# Altium PCB BEAGLEPLAYV020_220915.brd.PcbDoc (part 6 of 12) (continued)
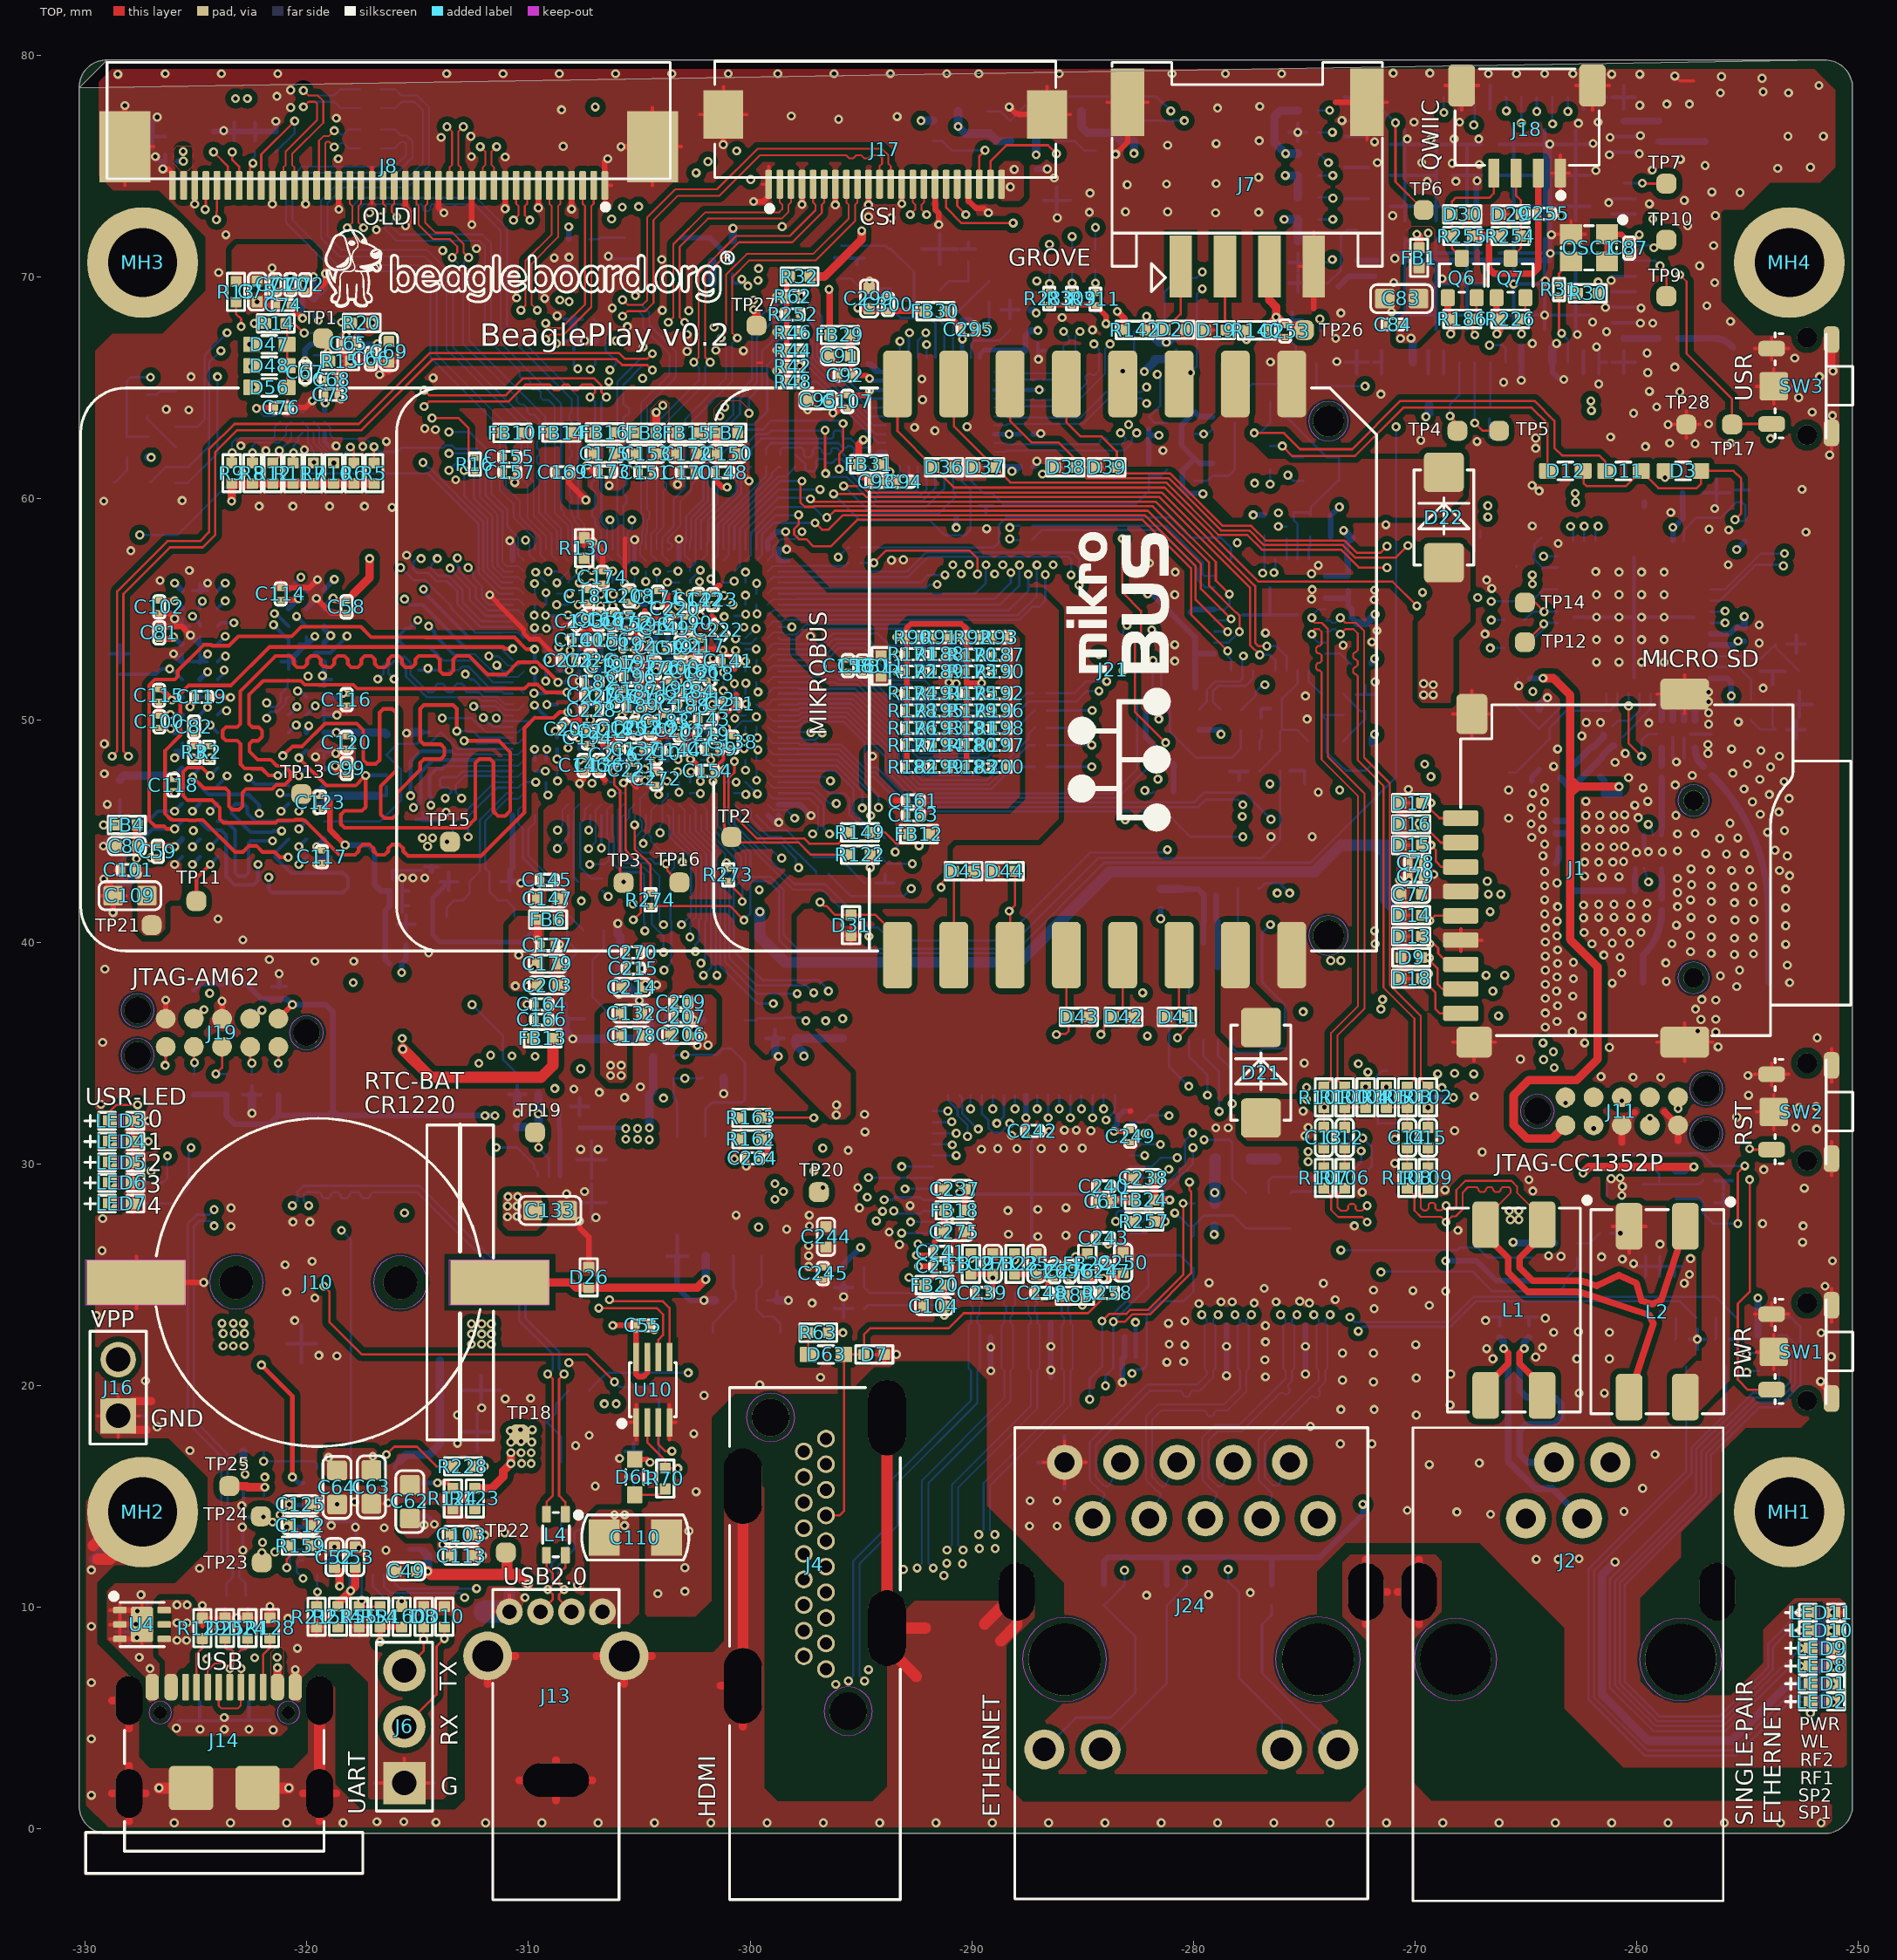
[diagram p0: TOP view]
## Nets (pads, with @x,y where several pads share a name; then routed paths per layer and width w, separated by ;. In a path a pad name is that pad's centre, name@x,y a point inside that pad or via, vN(x,y) a via of type N, cw(c..) or ccw(c..) an arc to the next point about the centre after c; other vN are vias at no path point) (continued)
-255.693,28.25 R59.2@-256.096,28.25 ; -255.693,29.248 R56.2@-256.096,29.248 ; -255.556,60.396 C20.2@-255.245,60.396 ; -255.467,21.637 Q4.2@-255.467,22.09 ; -255.467,22.543 Q4.2@-255.467,22.09 ; -255.245,60.689 C20.2@-255.245,60.396 ; -255.114,22.09 Q4.2@-255.467,22.09 ; -254.933,60.396 C20.2@-255.245,60.396 ; -254.432,52.229 X4.2@-253.879,52.229 ; -253.879,51.626 X4.2@-253.879,52.229 ; -253.326,52.229 X4.2@-253.879,52.229 ; -253.232,50.729 X4.4@-252.679,50.729 ; -253.22,49.59 C35.2@-252.817,49.59 ; -253.22,53.451 C36.2@-252.817,53.451 ; -252.817,49.187 C35.2@-252.817,49.59 ; -252.817,49.993 C35.2@-252.817,49.59 ; -252.817,53.048 C36.2@-252.817,53.451 ; -252.817,53.854 C36.2@-252.817,53.451 ; -252.679,50.126 X4.4@-252.679,50.729 ; -252.679,51.332 X4.4@-252.679,50.729 ; -252.414,49.59 C35.2@-252.817,49.59 ; -252.414,53.451 C36.2@-252.817,53.451 ; -252.126,50.729 X4.4@-252.679,50.729
  BOTTOM w0.203: v4(-326.83,75.438) -326.619,75.227 C267.2@-326.39,75.227 ; U3.A6@-319.193,62.975 -319.193,62.569 -318.99,62.366 -318.702,62.366 -318.688,62.38 v9(-318.678,62.38) ; C127.2@-313.596,42.724 -314.325,41.995 -314.325,40.335 -313.995,40.005 -310.286,40.005 -309.651,40.64 v2(-309.651,42.494) ; U1.M7@-307.711,51.22 -307.711,50.803 v2(-307.696,50.787) -307.643,50.787 U1.M8@-307.211,51.22 ; v2(-307.711,51.781) U1.P7@-307.711,52.219 ; v2(-307.711,54.237) U1.W7@-307.711,54.719 ; U1.T8@-307.211,53.22 U1.U8@-307.211,53.719 v2(-306.754,53.719) -306.754,53.731 -306.711,53.774 U1.V9@-306.711,54.219 ; U1.AE8@-307.211,57.719 U1.AD9@-306.711,57.22 ; v2(-307.144,56.205) -307.129,56.205 -307.115,56.219 U1.AB9@-306.711,56.219 ; U1.V11@-305.711,54.219 -305.691,54.239 -305.286,54.239 v2(-305.224,54.177) -305.188,54.214 -304.717,54.214 U1.V13@-304.711,54.219 ; U1.AA11@-305.711,55.719 -305.711,56.122 v2(-305.656,56.177) ; U1.M12@-305.211,51.22 -304.754,50.763 v2(-304.754,50.719) -304.711,50.763 U1.M13@-304.711,51.22 ; U1.AD12@-305.211,57.22 U1.AE12@-305.211,57.719 v2(-305.211,58.154) ; v2(-305.168,53.22) U1.T13@-304.711,53.22 U1.T14@-304.211,53.22 ; v2(-305.079,49.238) -305.079,49.351 U1.J13@-304.711,49.719 ; v2(-304.754,50.719) -304.711,50.676 U1.K13@-304.711,50.219 ; U1.F13@-304.711,48.219 U1.G13@-304.711,48.719 -305.098,49.106 -305.098,49.22 U1.H13@-304.711,49.22 ; U1.P13@-304.711,52.219 v2(-305.156,52.219) -305.156,52.275 U1.R13@-304.711,52.719 ; v2(-303.756,49.675) -303.756,50.174 U1.K15@-303.711,50.219 ; v2(-303.691,54.719) -303.691,54.699 U1.V16@-303.211,54.219 ; U1.T17@-302.711,53.22 -302.711,52.756 v2(-302.694,52.739) -302.675,52.719 U1.R18@-302.211,52.719 ; U1.V18@-302.211,54.219 -301.71,54.219 v2(-301.668,54.177) ; U1.G19@-301.711,48.719 -301.25,48.719 v2(-301.211,48.758) U1.H20@-301.211,49.22 ; U1.K19@-301.711,50.219 -301.38,50.219 -301.341,50.259 v2(-301.295,50.259) -301.295,50.305 -301.211,50.389 U1.L20@-301.211,50.719 ; v2(-301.229,53.177) -301.211,53.159 U1.R20@-301.211,52.719 ; U15.6@-259.677,44.835 -259.677,44.285 v6(-259.477,44.084)
  BOTTOM w0.254: C268.2@-326.974,76.345 -326.974,76.987 v4(-326.746,77.216) ; v4(-326.83,75.438) v4@-326.822,75.438 ; v9(-326.154,50.264) -326.143,50.253 U2.H9@-325.619,50.253 ; v9(-326.009,53.01) -325.652,52.653 U2.E9@-325.619,52.653 ; v9(-325.961,46.711) U2.M9@-325.619,47.052 ; v9(-325.961,48.311) U2.K9@-325.619,48.652 ; v9(-325.961,54.595) U2.C9@-325.619,54.253 ; v9(-325.269,50.62) -324.837,51.053 U2.G8@-324.819,51.053 ; v9(-325.247,53.848) -324.852,53.453 U2.D8@-324.819,53.453 ; U2.E8@-324.819,52.653 v9(-324.478,52.994) ; U2.A8@-324.819,55.853 v9(-324.478,56.195) ; R243.2@-324.218,76.57 -323.811,76.57 -323.774,76.606 v4(-323.746,76.606) -323.71,76.57 R242.2@-323.279,76.57 R240.2@-322.339,76.57 R241.2@-321.399,76.57 v4(-321.399,77.025) ; C260.2@-321.251,37.993 v9(-321.251,38.583) ; U2.E3@-320.819,52.653 U2.D2@-320.019,53.453 -319.975,53.453 v9(-319.634,53.794) ; U3.C4@-320.193,63.975 v2(-319.748,64.42) ; U3.P4@-320.193,69.475 U3.N5@-319.693,68.975 U3.P6@-319.193,69.475 -319.193,70.227 -319.151,70.185 v2(-319.151,70.155) ; U2.B2@-320.019,55.053 v9(-319.565,55.507) ; U2.A2@-320.019,55.853 v9(-319.521,56.351) ; U3.G5@-319.693,65.975 -319.822,65.975 v2(-320.074,66.227) -320.074,66.721 -319.82,66.975 U3.J5@-319.693,66.975 ; v9(-319.56,43.51) U2.T1@-319.219,43.852 ; v9(-319.297,52.02) -319.219,52.099 U2.E1@-319.219,52.653 ; U2.K1@-319.219,48.652 -318.832,48.652 v9(-318.694,48.514) ; U2.H1@-319.219,50.253 -318.654,50.253 v9(-318.643,50.241) ; U2.F1@-319.219,51.853 U2.F1@-319.219,51.942 ; U17.15@-319.021,11.463 -319.021,12.038 -318.753,12.307 v2(-318.753,12.726) ; U3.E7@-318.693,64.975 -318.693,64.736 v2(-318.465,64.508) ; U3.K8@-318.193,67.475 -318.193,66.775 -318.031,66.613 v2(-318.031,66.207) -317.461,66.207 U3.H10@-317.193,66.475 ; C229.2@-314.757,45.535 C230.2@-314.071,45.535 -314.046,45.535 v9(-313.715,45.865) ; -314.401,43.193 -314.376,43.219 C225.2@-314.376,43.401 ; v2(-310.845,58.108) -310.711,57.973 U1.AE1@-310.711,57.719 U1.AD1@-310.711,57.22 ; U1.A1@-310.711,45.719 -310.711,43.364 -310.839,43.236 C126.2@-310.839,42.732 -310.43,42.732 -310.363,42.664 v2(-310.345,42.664) -309.822,42.664 v2(-309.651,42.494) ; U1.J7@-307.711,49.719 U1.K7@-307.711,50.219 -307.711,50.772 v2(-307.696,50.787) ; U1.AE8@-307.211,57.719 -307.211,57.932 v2(-307.086,58.057) ; U1.V9@-306.711,54.219 U1.V10@-306.211,54.219 ; U1.M10@-306.211,51.22 -306.211,51.703 v2(-306.195,51.719) -306.211,51.736 U1.P10@-306.211,52.219 ; C266.2@-303.768,36.432 -303.768,36.719 v2(-303.53,36.957) ; U1.N15@-303.711,51.719 -303.297,51.719 v2(-303.253,51.763) ; U1.R15@-303.711,52.719 -303.273,52.719 v2(-303.253,52.739) -303.211,52.781 U1.T16@-303.211,53.22 ; U18.4@-303.293,25.846 -303.293,24.426 -302.714,23.847 v2(-302.086,23.847) ; U1.AD16@-303.211,57.22 U1.AE16@-303.211,57.719 v9(-303.211,58.184) ; U1.M17@-302.711,51.22 -302.711,50.736 v2(-302.694,50.719) -302.211,51.203 U1.M18@-302.211,51.22 ; U1.U19@-301.711,53.719 -301.711,54.133 v2@-301.668,54.177 ; U1.A24@-299.211,45.719 -298.892,45.4 v2(-298.711,45.4) U1.A25@-298.711,45.719 ; U1.AE24@-299.211,57.719 -299.211,58.109 -298.806,58.514 v2(-298.399,58.514) ; v2(-298.796,66.7) -298.362,66.7 R43.1@-298.352,66.69 ; v2(-298.796,67.513) -298.362,67.513 R45.1@-298.352,67.503 ; v2(-298.796,68.326) -298.362,68.326 R249.1@-298.352,68.316 ; U1.B25@-298.711,46.219 -297.763,46.219 v2(-297.256,45.712) ; v2(-298.358,57.719) U1.AE25@-298.711,57.719 U1.AD25@-298.711,57.22 -298.304,57.22 ; R47.1@-298.352,65.293 -298.352,65.307 v2(-298.806,65.761) -298.587,65.979 R41.1@-298.352,65.979 ; v4(-294.615,69.825) -294.206,69.416 Y2.4@-293.742,69.416 ; C298.2@-290.441,68.068 -290.089,68.068 v4(-289.882,67.861) ; D4.3@-289.149,22.202 v11(-289.149,21.742) D4.8@-289.149,21.302 v4(-289.149,20.671) v4@-289.052,20.574 ; C294.2@-287.249,61.463 -287.152,61.463 -287.071,61.544 v2(-287.071,61.697) ; C296.2@-287.249,62.917 -286.917,62.917 v4(-286.893,62.941) ; C259.2@-287.096,74.872 v4(-286.596,74.872) ; -286.443,20.389 D5.8@-286.443,21.302 D5.3@-286.443,22.202 -286.443,22.841 ; v4(-283.21,20.142) -283.21,21.21 D6.8@-283.118,21.302 D6.3@-283.118,22.202 ; C56.2@-278.983,42.122 -278.98,42.119 C232.2@-278.98,41.437 -278.98,41.024 -278.898,40.941 U11.3@-278.898,39.979 -278.898,38.856 ; v4@-278.511,20.625 D2.3@-278.511,21.302 v11(-278.511,21.768) D2.8@-278.511,22.202 -278.511,22.733 ; v4(-274.955,20.523) D1.3@-274.955,21.302 v11(-274.955,21.768) D1.8@-274.955,22.202 -274.955,22.733 ; -273.456,69.571 -272.991,70.036 U5.54@-272.64,70.036 -271.839,70.036 ; U5.55@-272.64,70.736 -271.732,70.736 ; U5.G19@-270.549,70.74 U5.G21@-267.249,70.74 ; U5.G1@-270.549,76.034 v4(-270.358,76.225) ; U5.G3@-267.249,76.109 v4(-267.132,76.225) ; v4(-267.208,74.346) -267.249,74.305 U5.G21@-267.249,70.74 ; v4(-265.215,65.342) U5.39@-265.215,66.161 ; -264.744,47.269 -264.744,47.447 C33.2@-264.405,47.787 ; v4(-263.931,75.997) -263.949,75.98 -263.949,70.74 U5.G21@-267.249,70.74 ; U5.37@-263.815,66.161 -263.815,65.72 -263.5,65.405
  BOTTOM w0.305: C262.2@-265.532,26.521 -265.44,26.43 U22.5@-264.703,26.43 U22.7@-263.703,26.43 ; U5.39@-265.215,66.161 -265.215,66.865
  BOTTOM w0.381: v9(-329.175,44.332) -328.947,44.56 R83.2@-328.433,44.56 ; v9(-322.475,32.286) R158.2@-322.475,33.122 ; v9(-319.56,45.911) U2.N1@-319.219,46.252 -318.862,46.609 -316.857,46.609 ; v9(-315.502,49.431) -315.257,49.431 -315.257,49.468 R85.2@-314.882,49.468 ; R88.1@-314.538,52.269 v9(-314.538,52.349) ; v2(-310.511,32.283) R141.2@-310.511,33.142 ; C128.2@-308.697,39.574 -308.697,39.817 v2(-308.61,39.903) ; X6.2@-308.311,36.547 -308.311,35.947 v2(-308,35.636) -305.131,35.636 -304.978,35.79 v2(-304.495,35.79) -304.495,36.272 -304.662,36.439 -304.662,37.022 v2(-305.003,37.363) -305.126,37.486 -305.126,37.639 -305.884,38.397 X6.4@-306.011,38.397 -305.855,38.552 C129.2@-305.855,39.557 -305.855,40.248 -305.968,40.361 v2(-305.968,40.843) ; R94.1@-307.98,68.097 -307.98,67.155 R131.2@-307.953,67.128 v2(-307.467,67.128) R153.2@-306.988,67.128 ; v2(-302.086,23.847) C265.2@-301.59,23.847 ; v2(-301.192,33.172) U20.2@-301.192,33.882 ; R212.2@-300.775,71.649 v2(-300.775,72.198) ; R213.2@-298.878,35.656 -298.878,34.972 -298.853,34.972 v2(-298.729,34.849) ; C261.2@-298.788,23.847 v9(-298.276,23.847) ; v9(-295.787,24.007) R147.2@-295.787,24.431 ; v4(-282.219,65.735) -281.762,66.192 D40.1@-281.762,66.294 D52.1@-280.782,66.294 ; C34.2@-264.413,50.548 -264.413,50.649 v2(-264.033,51.029) ; U5.37@-263.815,66.161 -263.815,66.817 v4(-263.627,67.005) ; v4(-260.985,12.04) -261.569,11.455 -261.569,6.065 -259.492,3.988 -255.727,3.988 -253.213,6.502 -252.476,6.502 -251.638,7.341 v2(-251.155,7.341) -251.155,7.95 -251.714,8.509 -251.714,9.347 -251.297,9.764 v2(-251.17,9.764)
  BOTTOM w0.508: J13.4@-310.862,9.804 -310.862,10.643
  BOTTOM w1.016: -311.963,9.804 J13.4@-310.862,9.804
  other v2: -321.513,4.47 -324.815,4.496 -323.723,4.496 -322.605,4.496 -325.882,4.547 -323.723,5.029 -296.139,6.528 -294.665,7.188 -327.076,7.239 -324.51,7.671 -322.351,7.722 -327.558,7.747 -320.421,8.153 -320.853,9.5 -310.159,10.439 -282.118,10.541 -327.482,10.566 -279.324,10.566 -304.165,10.617 -277.438,10.662 -302.946,10.719 -307.797,10.998 -291.262,11.43 -293.091,11.709 -324.841,11.76 -302.946,11.786 -290.424,11.963 -291.135,11.989 -322.885,12.573 -316.433,12.573 -289.662,12.649 -288.95,12.649 -317.652,12.675 -311.963,13.259 -311.074,13.36 -302.768,13.437 -316.509,13.589 -322.91,13.614 -317.805,13.614 -318.897,13.691 -322.936,14.58 -318.634,14.643 -317.834,14.757 -302.438,15.215 -306.984,15.469 -322.783,16.002 -305.892,16.713 -325.272,17.069 -307.873,17.297 -313.205,17.399 -307.264,17.755 -302.539,17.831 -313.205,18.669 -312.115,18.999 -311.048,19.406 -309.905,19.431 -302.082,19.558 -299.568,20.041 -296.824,20.371 -308.178,21.031 -318.643,21.336 -319.456,21.361 -329.489,23.165 -319.634,23.952 -319.761,25.603 -293.268,26.365 -287.026,26.726 -285.756,26.777 -288.347,26.827 -293.726,26.924 -298.348,27.051 -297.329,27.2 -319.862,27.381 -306.959,27.584 -300.634,27.686 -297.332,27.686 -294.03,27.864 -288.372,27.894 -287.026,27.945 -295.072,28.016 -285.756,28.021 -292.786,28.118 -308.28,28.651 -272.39,28.727 -307.467,28.753 -295.148,28.931 -270.916,30.023 -266.979,30.531 -295.58,30.607 -307.645,30.658 -306.857,30.658 -289.566,30.663 -288.829,30.688 -287.966,30.688 -286.873,30.688 -285.857,30.714 -285.019,30.714 -270.916,31.115 -288.214,31.293 -294.818,31.445 -286.512,31.471 -284.632,31.496 -268.224,31.496 -285.826,31.521 -285.293,31.521 -278.994,31.623 -278.435,31.623 -294.843,32.233 -274.904,32.918 -305.664,32.995 -267.335,33.045 -306.807,33.223 -307.95,33.376 -304.952,33.477 -275.006,34.544 -265.252,34.722 -305.918,37.643 -271.805,39.929 -271.831,40.513 -270.713,42.799 -270.281,42.799 -276.504,44.755 -274.65,44.755 -274.371,46.761 -270.307,46.888 -274.879,50.063 -274.955,51.105 -290.703,51.664 -271.805,51.74 -280.848,52.68 -295.275,52.756 -273.253,53.391 -280.848,53.416 -271.958,53.543 -266.852,53.899 -276.758,53.95 -271.729,54.051 -271.856,55.448 -274.676,55.474 -280.848,55.677 -271.831,55.88 -274.65,55.905 -266.548,55.956 -266.776,56.337 -274.676,56.617 -282.321,56.667 -280.822,56.693 -274.371,56.998 -281.991,57.099 -293.624,57.226 -293.091,57.252 -263.55,57.988 -255.854,58.598 -256.743,58.623 -289.331,58.649 -264.719,58.776 -271.323,58.826 -276.174,59.36 -258.47,59.385 -264.414,60.35 -264.729,60.601 -277.241,60.706 -325.323,64.008 -326.339,64.033 -325.222,65.507 -300.304,66.675 -304.825,66.853 -308.737,67.005 -318.218,67.373 -302.844,67.412 -301.625,67.742 -305.537,67.767 -308.712,68.25 -302.768,68.478 -303.962,68.504 -306.222,68.605 -309.27,69.037 -310.54,69.063 -298.796,69.139 -305.181,69.164 -300.101,69.596 -300.38,69.901 -323.977,70.206 -303.987,70.79 -308.839,70.866 -308.173,70.896 -306.4,70.942 -313.868,71.196 -312.348,71.287 -323.647,71.907 -316.865,72.136 -317.17,72.898
  other v4: -264.541,12.167 -263.55,12.167 -262.611,12.192 -287.401,13.665 -286.156,13.665 -266.598,14.199 -268.122,14.3 -260.579,14.326 -270.358,14.376 -287.376,14.808 -286.156,14.808 -259.74,15.367 -269.367,16.434 -267.106,16.51 -259.182,16.891 -273.38,17.374 -271.958,17.374 -274.726,18.161 -273.355,18.923 -271.856,18.923 -271.882,20.168 -273.279,20.244 -276.758,20.396 -278.511,20.447 -286.436,20.701 -251.231,21.311 -251.689,22.377 -251.511,24.486 -251.181,25.629 -255.499,32.108 -254.965,33.096 -260.172,33.909 -258.928,33.909 -261.62,33.934 -254.991,33.985 -261.239,35.255 -256.337,35.281 -264.135,38.1 -264.135,38.735 -264.135,39.37 -264.135,40.005 -264.135,40.64 -264.16,41.275 -264.16,41.91 -264.16,42.545 -264.16,43.18 -265.786,45.593 -265.786,46.863 -281.381,62.179 -264.566,62.281 -259.613,62.357 -257.378,62.484 -258.521,62.509 -255.778,62.509 -267.208,62.586 -269.748,62.636 -264.566,62.738 -261.188,62.789 -291.668,63.068 -292.583,63.221 -290.22,63.246 -282.931,63.348 -258.597,63.348 -256.769,63.373 -251.181,63.754 -260.147,63.856 -259.105,64.145 -292.227,64.465 -271.551,64.719 -258.064,64.821 -259.436,64.846 -261.722,65.176 -266.014,65.253 -263.296,65.38 -292.252,65.405 -259.512,65.684 -258.293,65.938 -276.529,66.167 -273.533,66.192 -286.995,66.294 -259.537,66.573 -261.823,66.853 -264.719,67.005 -273.583,67.234 -262.687,67.412 -261.366,67.539 -284.556,67.615 -259.842,67.92 -259.283,67.92 -262.001,67.97 -255.778,67.996 -285.928,68.174 -273.355,68.377 -271.069,68.428 -259.817,68.605 -261.417,68.631 -256.845,68.707 -270.967,69.748 -256.489,69.748 -264.135,69.825 -267.665,69.85 -261.163,69.85 -268.783,69.926 -257.175,70.51 -270.916,70.841 -263.906,71.069 -256.54,71.425 -263.855,71.907 -298.555,72.277 -257.708,72.314 -293.637,72.668 -286.144,72.668 -294.665,72.72 -271.018,72.771 -263.415,72.77 -256.464,72.771 -279.007,72.897 -284.696,72.922 -277.063,72.923 -283.071,72.948 -281.166,72.948 -259.436,73.304 -261.269,73.355 -257.861,73.457 -284.671,73.786 -255.346,73.812 -256.616,73.838 -282.995,74.167 -281.217,74.192 -278.981,74.218 -269.456,74.319 -268.163,74.319 -286.283,74.473 -277.063,74.498 -261.849,74.803 -259.309,74.828 -253.644,74.905 -252.171,74.955 -256.921,75.032 -267.106,75.082 -268.326,75.133 -271.704,75.159 -269.71,75.158 -258.039,75.311 -318.58,75.335 -311.048,75.413 -312.572,75.438 -261.239,75.514 -259.893,75.565 -308.432,75.895 -281.166,75.945 -278.981,76.021 -261.976,76.022 -271.831,76.098 -277.038,76.149 -269.291,76.225 -268.249,76.225 -313.944,76.302 -261.214,76.302 -312.598,76.352 -253.187,76.352 -251.587,76.352 -259.842,76.378 -262.636,76.937 -270.053,76.987 -267.995,76.987 -261.747,76.987 -273.304,77.064 -296.012,77.114 -318.668,77.165 -293.37,77.241 -298.145,77.267 -308.508,77.546 -278.917,77.622 -320.726,77.648 -277.012,77.699 -259.867,77.749 -258.648,77.8 -257.632,77.8 -321.349,78.155 -256.235,78.308 -253.162,78.308 -254.305,78.359 -320.726,78.435 -251.79,78.638 -254.356,78.969 -256.184,79.045 -328.524,79.146 -259.867,79.146 -326.39,79.172 -323.85,79.172 -321.31,79.172 -313.69,79.172 -311.15,79.172 -308.61,79.172 -306.07,79.172 -303.53,79.172 -300.99,79.172 -298.755,79.172 -296.215,79.172 -293.675,79.172 -291.135,79.172 -289.687,79.172 -286.055,79.172 -280.975,79.172 -278.562,79.172 -276.022,79.172 -266.7,79.172 -265.43,79.172 -264.16,79.172 -262.89,79.172 -270.993,79.197 -269.342,79.197
  other v6: -269.951,18.669 -268.427,19.126 -262.611,19.66 -261.468,19.66 -269.951,20.345 -268.402,20.523 -264.693,28.778 -264.871,29.286 -262.357,35.458 -256.438,35.941 -262.915,35.966 -257.251,35.992 -264.135,36.17 -263.601,36.424 -257.109,36.515 -256.438,36.525 -262.484,36.678 -264.135,36.805 -257.353,36.982 -263.576,37.135 -256.438,37.389 -257.073,37.414 -264.135,37.465 -262.89,37.567 -263.627,37.795 -255.499,37.998 -261.112,38.151 -258.674,38.227 -262.865,38.354 -263.601,38.43 -256.235,38.481 -260.68,38.608 -255.372,38.735 -263.576,39.04 -258.699,39.065 -262.865,39.091 -260.756,39.319 -261.493,39.421 -255.6,39.446 -254.737,39.472 -256.642,39.497 -257.581,39.573 -263.576,39.649 -262.026,39.929 -258.42,39.929 -261.112,39.954 -260.325,39.954 -255.6,40.183 -254.737,40.208 -256.642,40.234 -263.601,40.284 -257.581,40.31 -262.382,40.437 -259.817,40.437 -261.468,40.462 -260.68,40.462 -258.216,40.767 -263.601,40.945 -255.575,40.996 -254.711,41.021 -256.616,41.046 -262.407,41.097 -259.563,41.097 -261.722,41.123 -261.036,41.123 -260.274,41.123 -257.556,41.123 -263.576,41.605 -258.166,41.605 -262.407,41.681 -261.722,41.707 -261.036,41.707 -260.274,41.707 -259.537,41.758 -255.6,41.783 -254.737,41.808 -256.642,41.834 -257.581,41.91 -258.166,42.24 -255.6,42.494 -254.787,42.52 -256.642,42.545 -257.531,42.596 -263.601,42.672 -258.166,42.875 -261.569,42.926 -260.807,42.951 -262.357,42.977 -255.727,43.231 -256.667,43.256 -254.914,43.256 -257.556,43.307 -262.357,43.612 -261.722,43.612 -261.087,43.612 -260.604,43.637 -264.236,43.891 -255.956,43.967 -256.896,43.993 -255.143,43.993 -260.02,44.044 -258.851,44.069 -258.166,44.12 -253.771,44.145 -262.306,44.298 -261.671,44.298 -261.036,44.298 -260.553,44.323 -264.16,44.425 -256.261,44.679 -255.448,44.704 -264.744,44.729 -258.166,44.882 -257.378,44.907 -254.102,44.958 -264.262,45.085 -262.306,45.085 -261.671,45.085 -261.036,45.085 -260.553,45.11 -264.77,45.339 -255.803,45.364 -259.944,45.618 -264.262,45.72 -262.306,45.72 -261.671,45.72 -261.036,45.72 -258.242,45.72 -260.553,45.745 -254.432,45.771 -264.77,46.05 -260.096,46.177 -264.16,46.33 -254.787,46.33 -262.306,46.355 -259.512,46.355 -254.025,46.66 -264.693,46.711 -255.168,46.914 -264.16,46.965 -259.715,46.965 -258.267,47.092 -254.457,47.346 -260.375,47.422 -257.505,47.523 -255.676,47.625 -253.975,47.904 -263.754,47.93 -255.016,48.031 -260.985,48.108 -258.216,48.133 -260.528,48.514 -256.794,48.514 -254.406,48.641 -263.576,48.717 -255.727,48.717 -256.794,48.92 -262.484,49.301 -256.769,49.835 -259.461,49.886 -262.28,49.911 -261.645,49.911 -256.769,50.343 -256.769,50.851 -256.769,51.283 -261.823,52.629 -260.807,52.629 -259.791,52.629 -258.775,52.629 -260.807,53.645 -259.791,53.645 -258.775,53.645
  other v9: -326.746,18.136 -327.279,20.218 -320.548,22.936 -297.205,23.724 -320.904,24.232 -320.98,25.451 -329.235,26.086 -323.418,27.178 -272.745,27.203 -320.624,27.381 -329.209,27.534 -323.418,28.016 -327.152,31.942 -329.286,32.69 -329.209,35.484 -329.108,38.786 -319.634,39.141 -317.881,39.141 -321.691,39.218 -314.503,39.522 -322.885,40.107 -324.002,41.046 -315.697,42.901 -315.214,42.901 -314.681,42.901 -325.12,45.034 -329.003,46.217 -329.133,47.6 -319.608,48.362 -329.133,48.946 -326.619,56.312 -325.298,56.769 -315.493,57.455 -327.939,57.658 -252.374,58.496 -316.154,59.614 -322.148,59.665 -320.624,59.665 -318.973,59.665 -317.398,59.665 -329.159,59.893 -325.623,59.919 -252.552,60.427 -313.284,60.858 -321.843,62.164 -320.11,62.206 -317.475,62.357 -322.974,62.392 -316.408,62.586 -314.198,63.119 -314.681,63.17 -306.375,65.278 -304.851,65.43 -314.3,65.456 -302.844,66.65 -301.549,66.7
  other v11: -281.203,21.057 -280.441,21.082 -276.784,21.158 -273.279,21.463 -271.882,21.463 -286.436,21.768 -280.391,21.844 -281.102,21.869 -276.758,21.971 -276.758,22.708 -281.127,22.809 -280.391,22.911 -271.856,23.47 -279.756,23.698 -277.266,23.724 -274.777,23.724 -278.765,23.774 -278.257,23.774 -276.276,23.774 -275.209,23.8 -273.609,23.876 -270.104,24.282 -271.882,24.308 -276.809,24.384 -274.142,24.613 -279.298,24.638 -252.527,26.467 -252.501,27.203 -254.33,27.305 -252.451,28.905 -254.279,29.743 -251.892,31.572 -252.832,31.623 -252.679,32.537 -251.917,32.588 -251.866,35.687 -251.308,61.976 -252.095,63.906 -252.705,64.567 -251.765,65.507 -252.882,66.345
  other v12: -266.497,21.209 -262.712,21.209 -261.239,21.209 -264.566,21.285 -266.776,21.666 -264.262,21.717 -269.977,21.844 -263.754,22.403 -261.239,22.403 -262.636,22.428 -266.827,22.936 -264.135,23.038 -269.367,23.622 -268.63,24.257 -257.861,24.613 -257.632,25.019 -260.147,25.502 -260.655,25.705 -257.581,25.73 -261.595,25.806 -263.423,25.832 -263.982,25.857 -258.96,26.379 -265.582,26.467 -253.111,38.176 -253.213,38.964 -253.289,39.903 -253.289,40.742 -253.289,41.554 -253.289,42.393 -253.111,43.002 -253.568,43.231 -253.213,43.891 -253.34,45.034 -253.594,45.872 -253.136,46.482 -253.365,47.244 -253.568,48.387
  other v13: -268.656,28.829 -255.422,49.936 -254.305,51.46 -254.483,53.492 -261.823,53.645 -254.483,54.305 -261.823,54.661 -260.807,54.661 -259.791,54.661 -258.775,54.661 -261.823,55.677 -260.807,55.677 -259.791,55.677 -258.775,55.677 -260.807,56.693 -259.791,56.693 -258.775,56.693 -261.854,56.713 -255.88,57.023
  other v18: -268.072,27